# Altium PCB Main.PcbDoc
Units mil, origin at the board's own origin, x right, y up, seen from the top; angles counter-clockwise.
Board outline 3937.01 x 3937.01 mil, 2 copper layers (Top Layer, Bottom Layer); 63 components, 66 nets, 349 pads, 94 vias.
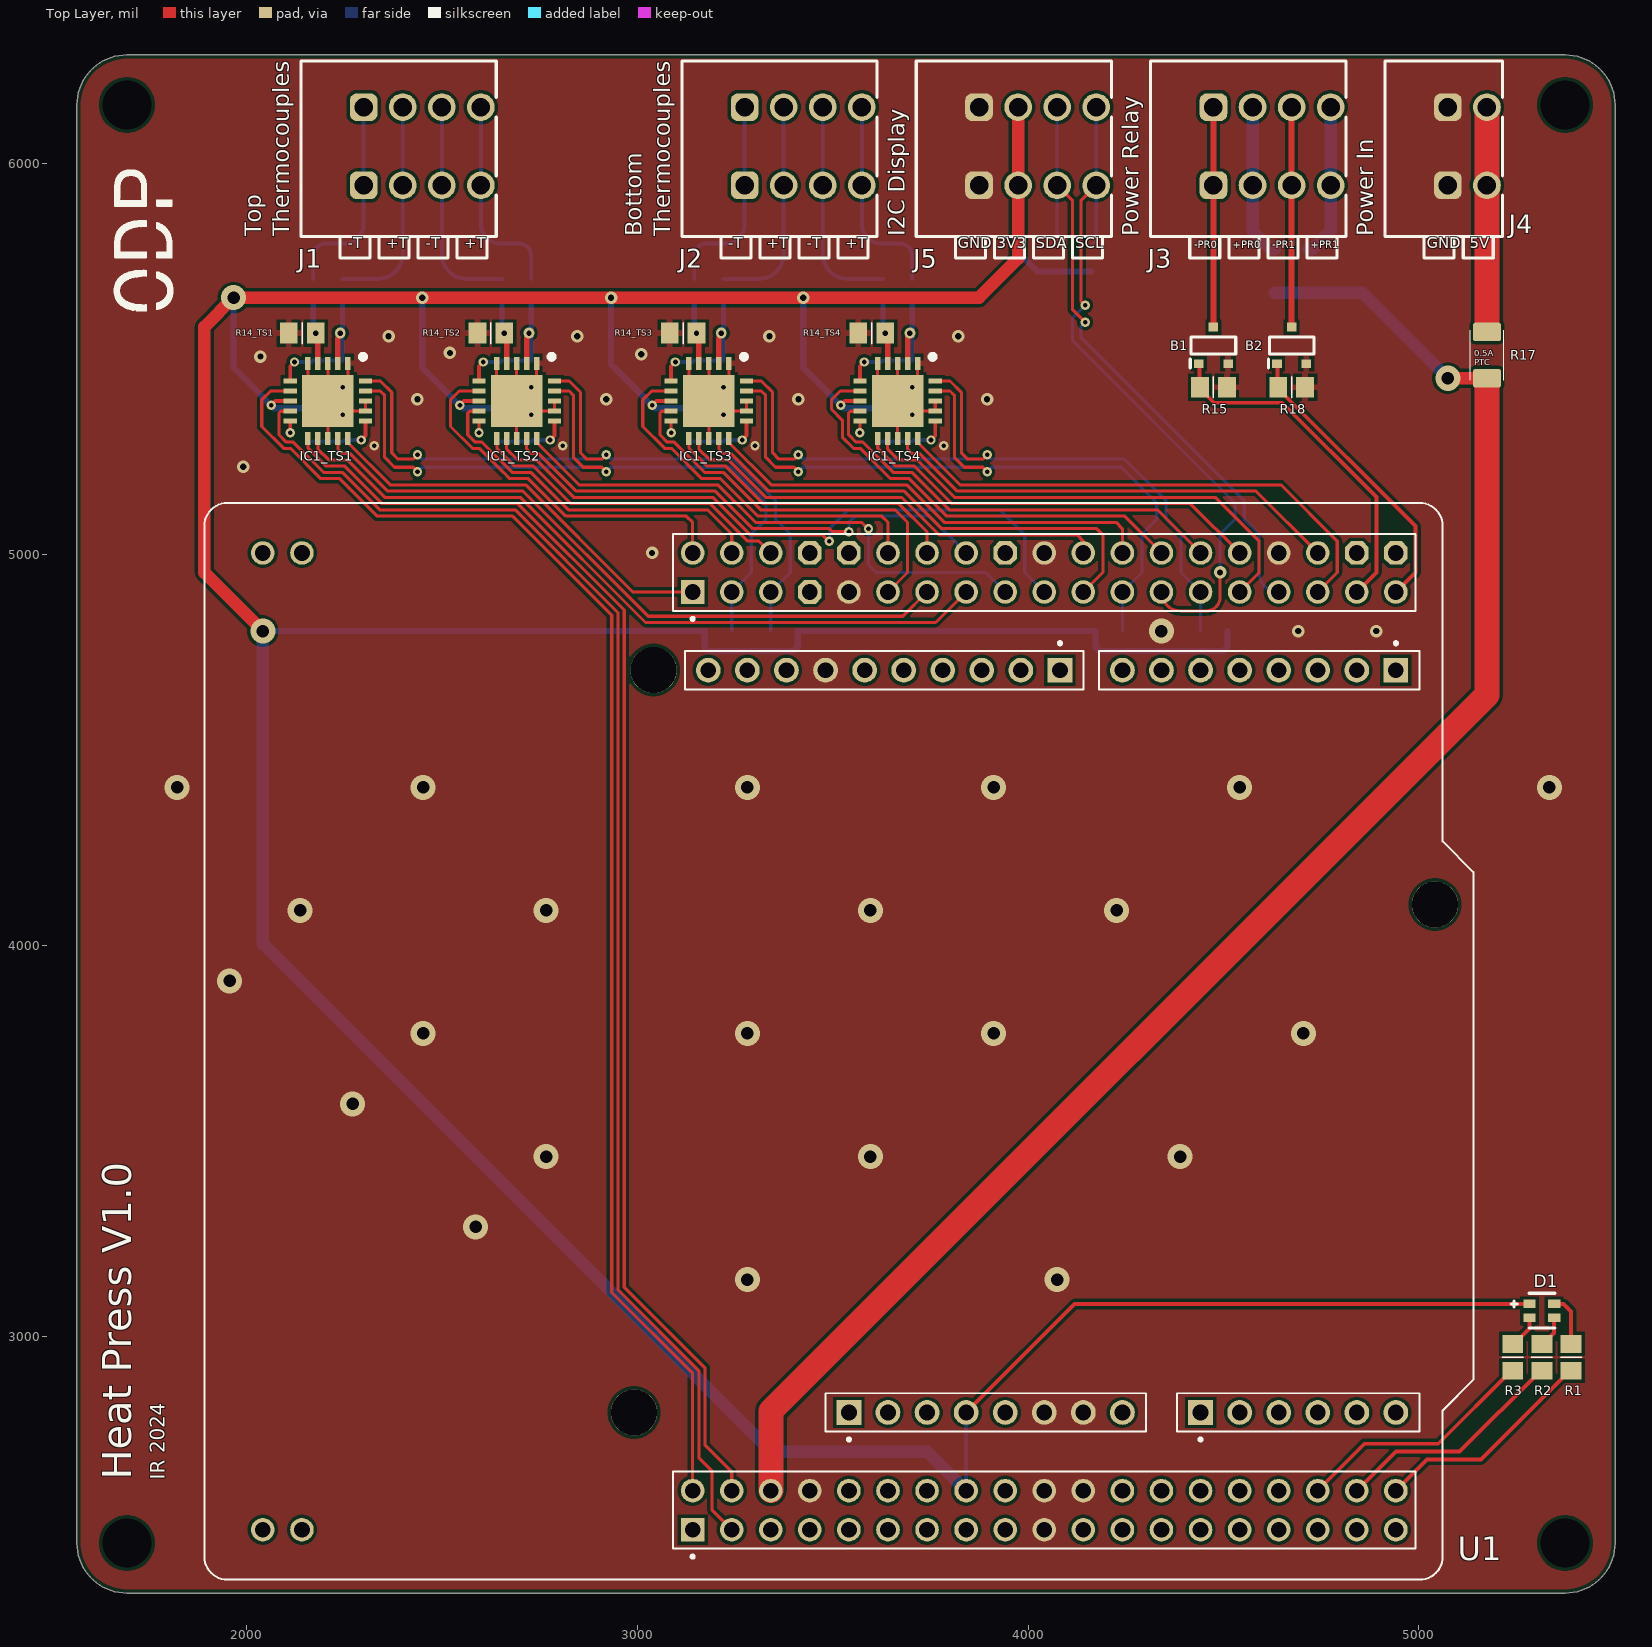
[diagram p0: Top Layer view]
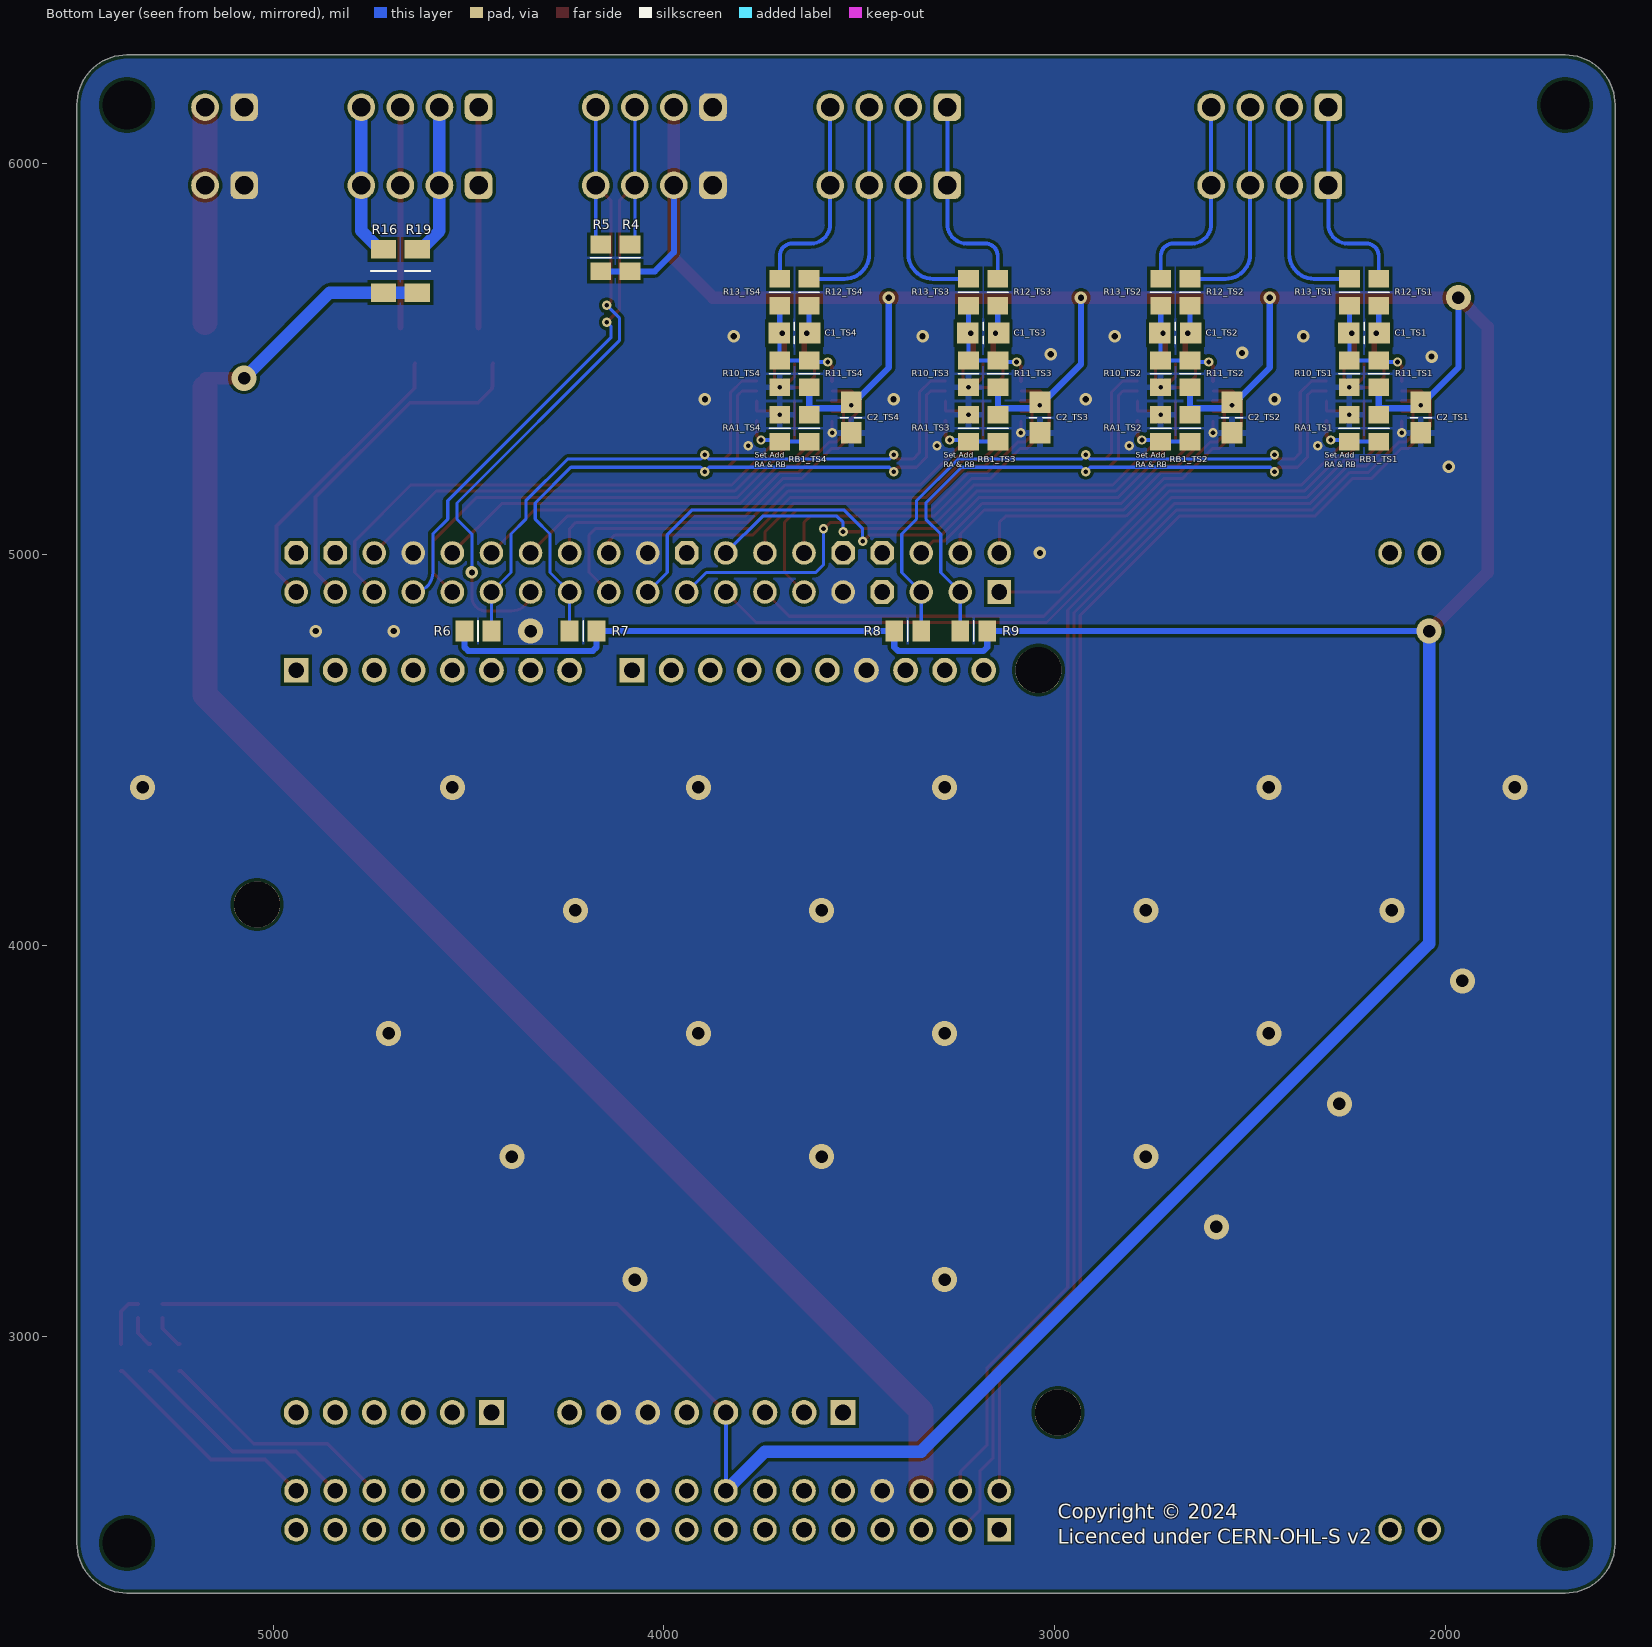
[diagram p1: Bottom Layer view, seen from below]
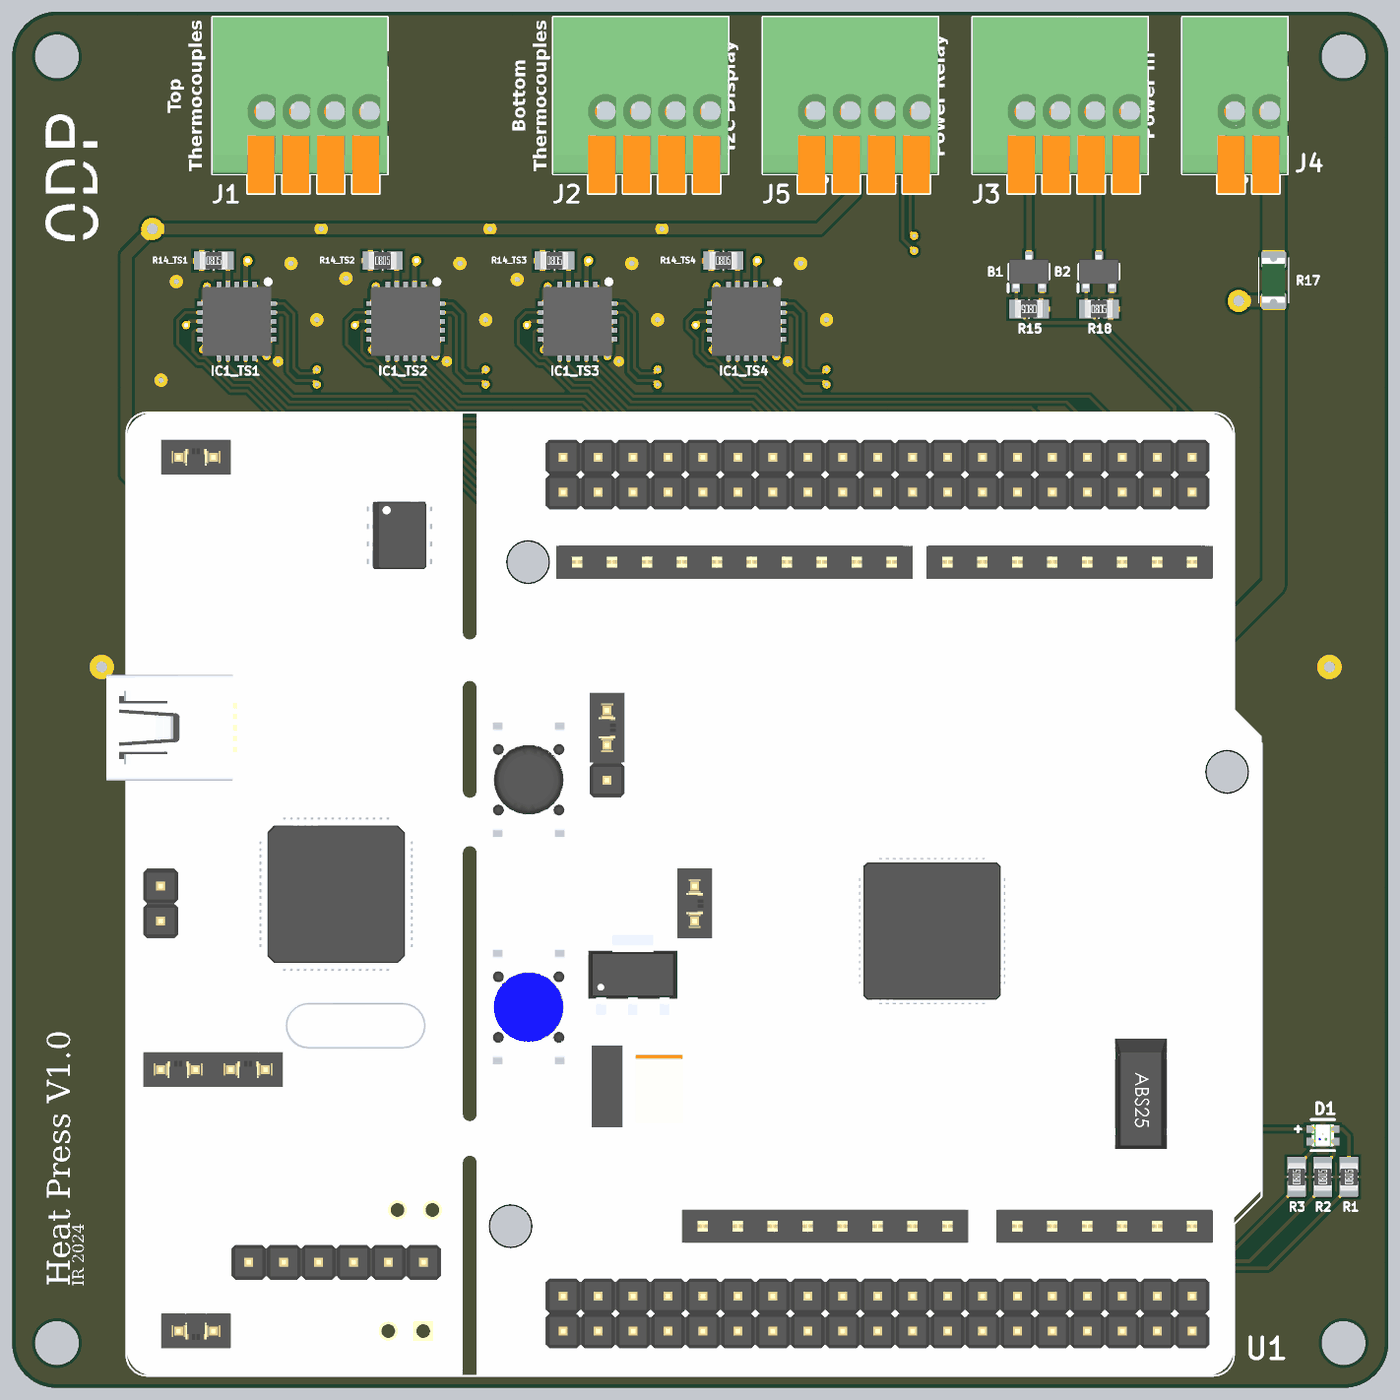
[diagram p2: 3D render of the assembled board from above, using the file's embedded part models]
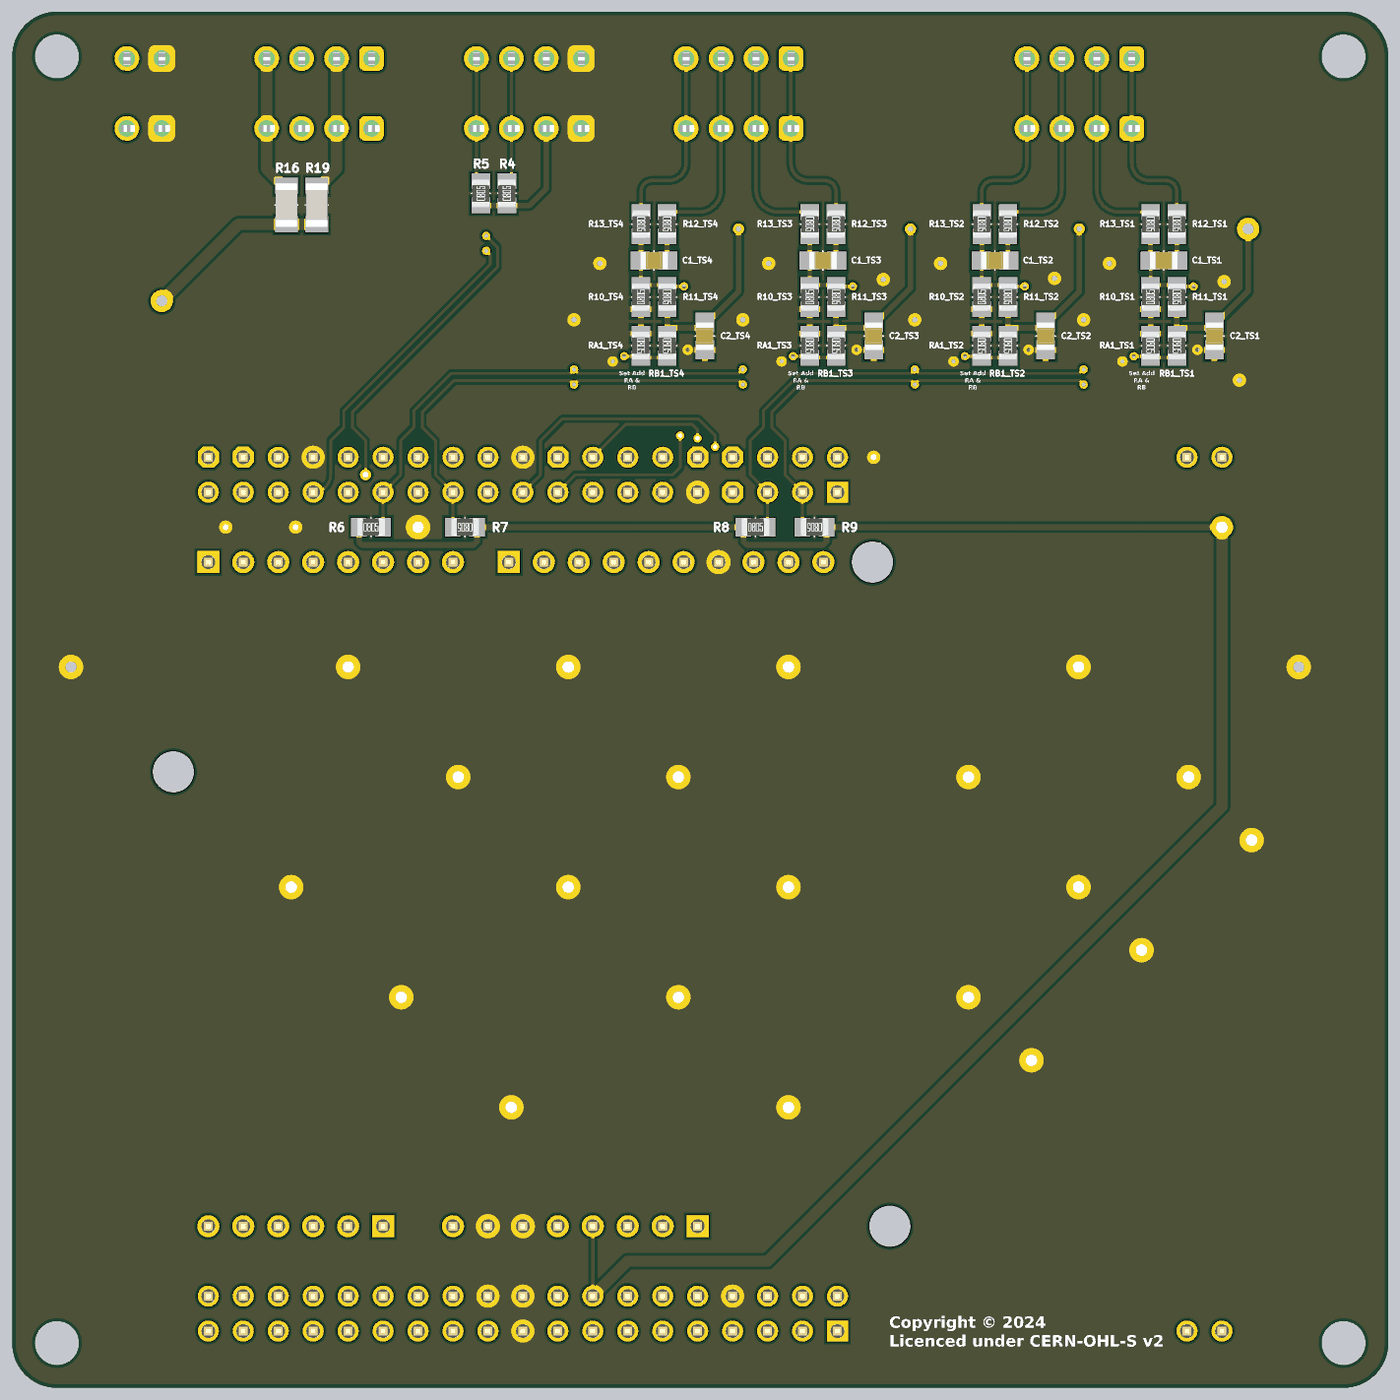
[diagram p3: 3D render of the assembled board from below, using the file's embedded part models]

## Layer stack, top to bottom
Top Solder: solder mask 0.4, Solder Resist, Dk 3.5
Top Layer: signal copper 1.4
Dielectric 1: dielectric 12.6, FR-4, Dk 4.8
Bottom Layer: signal copper 1.4
Bottom Solder: solder mask 0.4, Solder Resist, Dk 3.5

## Board outline
1565.62,2470.12 1565.62,6151.13 cw(c1693.62,6151.13) 1693.62,6279.13 5374.63,6279.13 cw(c5374.63,6151.13) 5502.63,6151.13 5502.63,2470.12 cw(c5374.63,2470.12) 5374.63,2342.12 1693.62,2342.12 cw(c1693.62,2470.12)

## Design rules (kind name [scope] priority, off if disabled: settings)
BoardOutlineClearance [All] p1: gap=10 ignorepadtopadclearanceinfootprint=FALSE
Clearance Clearance_1 [OnMid vs OnMid] p1: gap=8 ignorepadtopadclearanceinfootprint=FALSE sourcerule=40 cellrowname=All cellrowtype=0 cellcolname=All cellcoltype=0 innerlayers=TRUE
Clearance Clearance_2 [(ExistsOnLayer('Top Layer') Or ExistsOnLayer('Bottom Layer')) vs (ExistsOnLayer('Top Layer') Or ExistsOnLayer('Bottom Layer'))] p2: gap=8 ignorepadtopadclearanceinfootprint=FALSE sourcerule=40 cellrowname=All cellrowtype=0 cellcolname=All cellcoltype=0 outerlayers=TRUE
Clearance [All] p3: gap=5 ignorepadtopadclearanceinfootprint=FALSE except(9.84: Arc-Hole Track-Hole SMDPad-Hole THPad-Hole Via-Hole Fill-Hole Poly-Hole Region-Hole Text-Hole) ismatrix=TRUE
ComponentClearance [All] p1: gap=5 collisioncheckmode=3 verticalgap=5 showdistances=TRUE
DiffPairsRouting [All] p1: maxlimit=10 minlimit=5 mostfreqgap=5 toplayer_minwidth=5 toplayer_maxwidth=1000 toplayer_prefwidth=5 bottomlayer_minwidth=5 bottomlayer_maxwidth=1000 bottomlayer_prefwidth=5 maxuncoupledlength=500
Height [All] p1: minheight=0 maxheight=71497.94 prefheight=500
HoleSize [All] p1: absolutevalues=TRUE maxlimit=248.03 minlimit=11.81 maxpercent=80.000 minpercent=20.000
HoleToHoleClearance [All] p1: gap=9.84 allowstackedmicrovias=FALSE
MinimumAnnularRing [All] p1: minimumring=3
MinimumSolderMaskSliver [All] p1: minsoldermaskwidth=0
PlaneClearance [All] p1: clearance=5
PlaneConnect PlaneConnectPowerPads [InPadClass('PowerPads')] p1: planeconnectstyle=Direct reliefexpansion=20 reliefentries=4 reliefconductorwidth=10 reliefairgap=10
PlaneConnect [All] p2: planeconnectstyle=Direct reliefexpansion=11.81 reliefentries=4 reliefconductorwidth=5 reliefairgap=5
PolygonConnect PolygonConnectPowerPads [All vs (InPadClass('PowerPads'))] p1: connectstyle=Direct reliefconductorwidth=10 reliefentries=4 polygonreliefangle="90 Angle" airgapwidth=10
PolygonConnect [All] p2: thpad.connectstyle=Direct thpad.reliefconductorwidth=16 thpad.reliefentries=4 thpad.polygonreliefangle="90 Angle" thpad.airgapwidth=5 smdpad.connectstyle=Relief smdpad.reliefconductorwidth=16 smdpad.reliefentries=4 smdpad.polygonreliefangle="90 Angle" smdpad.airgapwidth=8 smdpad.conductorbypadedge=TRUE smdpad.mindistance=8 smdpad.enablemindistance=TRUE via.connectstyle=Direct via.reliefconductorwidth=16 via.reliefentries=4 via.polygonreliefangle="90 Angle" via.airgapwidth=5
RoutingVias [All] p1: holewidth=11.81 width=23.62 viastyle="Through Hole" minholewidth=11.81 minwidth=23.62 maxholewidth=23.62 maxwidth=259.84
SilkToSilkClearance [All] p1: silktosilkclearance=0
SilkToSolderMaskClearance [IsPad] p1: minsilkscreentomaskgap=5 clearancetoexposedcopper=TRUE
SolderMaskExpansion [All] p1: expansion=2.95 istentingtop=FALSE
Width [All] p1: maxlimit=1000 minlimit=5 preferedwidth=16 minimp=50.000000 maximp=50.000000 favimp=50.000000
20 further rules are at their usual default settings.

## Classes and differential pairs
component class U_Connectors: B1 B2 J1 J2 J3 J4 J5 R15 R16 R17 R18 R19
net class SDA_[1..4]: SDA_1 SDA_3
net class SCL_[1..4]: SCL_1 SCL_2 SCL_3 SCL_4
channel class TempSensor: TS1 TS2 TS3 TS4
component class TS4: C1_TS4 C2_TS4 IC1_TS4 R10_TS4 R11_TS4 R12_TS4 R13_TS4 R14_TS4 RA1_TS4 RB1_TS4
component class TS3: C1_TS3 C2_TS3 IC1_TS3 R10_TS3 R11_TS3 R12_TS3 R13_TS3 R14_TS3 RA1_TS3 RB1_TS3
component class TS2: C1_TS2 C2_TS2 IC1_TS2 R10_TS2 R11_TS2 R12_TS2 R13_TS2 R14_TS2 RA1_TS2 RB1_TS2
component class TS1: C1_TS1 C2_TS1 IC1_TS1 R10_TS1 R11_TS1 R12_TS1 R13_TS1 R14_TS1 RA1_TS1 RB1_TS1
component class U_Microcontroller: D1 R1 R2 R3 R4 R5 R6 R7 R8 R9 U1

## Components (designator, comment, footprint, x,y, rotation, side; value= is the part's Value field where it differs from the comment)
B1 "CMP-532-000000-3" SOTFL95P240X88-3N 4474.63,5535.53 r90 top
B2 "CMP-532-000000-3" SOTFL95P240X88-3N 4674.63,5535.53 r90 top
C1_TS1 "CL21B104KBCNNNC" "CAP 0805_2012" 2208.1,5567.04 r0 bottom value=100nF (schematic designator C1)
C1_TS2 "CL21B104KBCNNNC" "CAP 0805_2012" 2691.17,5567.04 r0 bottom value=100nF (schematic designator C1)
C1_TS3 "CL21B104KBCNNNC" "CAP 0805_2012" 3183.1,5567.04 r0 bottom value=100nF (schematic designator C1)
C1_TS4 "CL21B104KBCNNNC" "CAP 0805_2012" 3666.17,5567.04 r0 bottom value=100nF (schematic designator C1)
C2_TS1 "CL21B104KBCNNNC" "CAP 0805_2012" 2062.91,5350.86 r270 bottom value=100nF (schematic designator C2)
C2_TS2 "CL21B104KBCNNNC" "CAP 0805_2012" 2545.98,5350.86 r270 bottom value=100nF (schematic designator C2)
C2_TS3 "CL21B104KBCNNNC" "CAP 0805_2012" 3037.91,5350.86 r270 bottom value=100nF (schematic designator C2)
C2_TS4 "CL21B104KBCNNNC" "CAP 0805_2012" 3520.98,5350.86 r270 bottom value=100nF (schematic designator C2)
D1 "EAST1616RGBB4" FP-EAST1616RGBB4-MFG 5315.23,3064.59 r180 top
IC1_TS1 "MCP96RL01T-E/MX" QFN65P500X500X100-21N-D 2208.1,5393.25 r270 top (schematic designator IC1)
IC1_TS2 "MCP96RL01T-E/MX" QFN65P500X500X100-21N-D 2691.17,5393.25 r270 top (schematic designator IC1)
IC1_TS3 "MCP96RL01T-E/MX" QFN65P500X500X100-21N-D 3183.1,5393.25 r270 top (schematic designator IC1)
IC1_TS4 "MCP96RL01T-E/MX" QFN65P500X500X100-21N-D 3666.17,5393.25 r270 top (schematic designator IC1)
J1 "691403900004B" 691403900004B 2389,6038.96 r0 top
J2 "691403900004B" 691403900004B 3364,6038.96 r0 top
J3 "691403900004B" 691403900004B 4564,6038.96 r0 top
J4 "691403900002B" 691403900002B 5064,6038.96 r0 top
J5 "691403900004B" 691403900004B 3964,6038.96 r0 top
R1 "ERJ-6ENF3000V" "RES 0805_2012" 5390.03,2945.37 r90 top value=300
R2 "CRG0805F100R" "RES 0805_2012" 5315.23,2945.37 r90 top value=100
R3 "CRG0805F100R" "RES 0805_2012" 5240.42,2945.37 r90 top value=100
R4 "ERJ-6ENF4991V" "RES 0805_2012" 4087.24,5759.44 r90 bottom value=4.99k
R5 "ERJ-6ENF4991V" "RES 0805_2012" 4162.05,5759.44 r90 bottom value=4.99k
R6 "ERJ-6ENF4991V" "RES 0805_2012" 4476.03,4804.42 r180 bottom value=4.99k
R7 "ERJ-6ENF4991V" "RES 0805_2012" 4207.13,4804.42 r0 bottom value=4.99k
R8 "ERJ-6ENF4991V" "RES 0805_2012" 3376.03,4804.42 r180 bottom value=4.99k
R9 "ERJ-6ENF4991V" "RES 0805_2012" 3207.13,4804.42 r0 bottom value=4.99k
R10_TS1 "CRCW08052M49FKEA" "RES 0805_2012" 2245.81,5462.71 r90 bottom value=2.49M (schematic designator R10)
R10_TS2 "CRCW08052M49FKEA" "RES 0805_2012" 2728.88,5462.71 r90 bottom value=2.49M (schematic designator R10)
R10_TS3 "CRCW08052M49FKEA" "RES 0805_2012" 3220.81,5462.71 r90 bottom value=2.49M (schematic designator R10)
R10_TS4 "CRCW08052M49FKEA" "RES 0805_2012" 3703.88,5462.71 r90 bottom value=2.49M (schematic designator R10)
R11_TS1 "CRCW08052M00FKECC" "RES 0805_2012" 2170.38,5462.71 r270 bottom value=2M (schematic designator R11)
R11_TS2 "CRCW08052M00FKECC" "RES 0805_2012" 2653.45,5462.71 r270 bottom value=2M (schematic designator R11)
R11_TS3 "CRCW08052M00FKECC" "RES 0805_2012" 3145.38,5462.71 r270 bottom value=2M (schematic designator R11)
R11_TS4 "CRCW08052M00FKECC" "RES 0805_2012" 3628.45,5462.71 r270 bottom value=2M (schematic designator R11)
R12_TS1 "CRG0805F100R" "RES 0805_2012" 2245.5,5671.38 r270 bottom value=100 (schematic designator R12)
R12_TS2 "CRG0805F100R" "RES 0805_2012" 2728.57,5671.38 r270 bottom value=100 (schematic designator R12)
R12_TS3 "CRG0805F100R" "RES 0805_2012" 3220.5,5671.38 r270 bottom value=100 (schematic designator R12)
R12_TS4 "CRG0805F100R" "RES 0805_2012" 3703.57,5671.38 r270 bottom value=100 (schematic designator R12)
R13_TS1 "CRG0805F100R" "RES 0805_2012" 2170.69,5671.38 r270 bottom value=100 (schematic designator R13)
R13_TS2 "CRG0805F100R" "RES 0805_2012" 2653.77,5671.38 r270 bottom value=100 (schematic designator R13)
R13_TS3 "CRG0805F100R" "RES 0805_2012" 3145.69,5671.38 r270 bottom value=100 (schematic designator R13)
R13_TS4 "CRG0805F100R" "RES 0805_2012" 3628.77,5671.38 r270 bottom value=100 (schematic designator R13)
R14_TS1 "ERJ-6ENF4873V" "RES 0805_2012" 2142.15,5567.04 r0 top value=487k (schematic designator R14)
R14_TS2 "ERJ-6ENF4873V" "RES 0805_2012" 2625.22,5567.04 r0 top value=487k (schematic designator R14)
R14_TS3 "ERJ-6ENF4873V" "RES 0805_2012" 3117.15,5567.04 r0 top value=487k (schematic designator R14)
R14_TS4 "ERJ-6ENF4873V" "RES 0805_2012" 3600.22,5567.04 r0 top value=487k (schematic designator R14)
R15 "CRCW080510K0FKEAC" "RES 0805_2012" 4474.63,5428.46 r180 top value=10k
R16 "ERA-8AEB201V" "RES 1206_3216" 4717.94,5725.97 r90 bottom value=200
R17 "CMP-009-00302-6" RESC3216X125N 5174.63,5510.75 r90 top value=0.75
R18 "CRCW080510K0FKEAC" "RES 0805_2012" 4674.63,5428.46 r0 top value=10k
R19 "ERA-8AEB201V" "RES 1206_3216" 4631.32,5725.97 r90 bottom value=200
RA1_TS1 "CRCW08052K20FKEAC" "RES 0805_2012" 2245.81,5323.78 r270 bottom value=2.2k (schematic designator RA1)
RA1_TS2 "CRCW08052K20FKEAC" "RES 0805_2012" 2728.88,5323.78 r270 bottom value=2.2k (schematic designator RA1)
RA1_TS3 "CRCW08052K20FKEAC" "RES 0805_2012" 3220.81,5323.78 r270 bottom value=2.2k (schematic designator RA1)
RA1_TS4 "CRCW08052K20FKEAC" "RES 0805_2012" 3703.88,5323.78 r270 bottom value=2.2k (schematic designator RA1)
RB1_TS1 "CRCW080510K0FKEAC" "RES 0805_2012" 2170.38,5323.78 r270 bottom value=10k (schematic designator RB1)
RB1_TS2 "CRCW080510K0FKEAC" "RES 0805_2012" 2653.45,5323.78 r270 bottom value=10k (schematic designator RB1)
RB1_TS3 "CRCW080510K0FKEAC" "RES 0805_2012" 3145.38,5323.78 r270 bottom value=10k (schematic designator RB1)
RB1_TS4 "CRCW080510K0FKEAC" "RES 0805_2012" 3628.45,5323.78 r270 bottom value=10k (schematic designator RB1)
U1 "CMP-666-000001-6" ST_NUCLEO-F401RE 3515.99,3754.42 r90 top locked
